# Altium PCB slave-14-mc33775.PcbDoc (part 4 of 5)
Units mil, origin at the board's own origin, x right, y up, seen from the top; angles counter-clockwise.
Board outline 6512.5 x 4562.01 mil, 6 copper layers (Top Copper, Supply, Signal Layer 1, Signal Layer 2, GND, Bot Copper), stack 69.773 mil thick; 427 components, 213 nets, 1131 pads, 1672 vias.
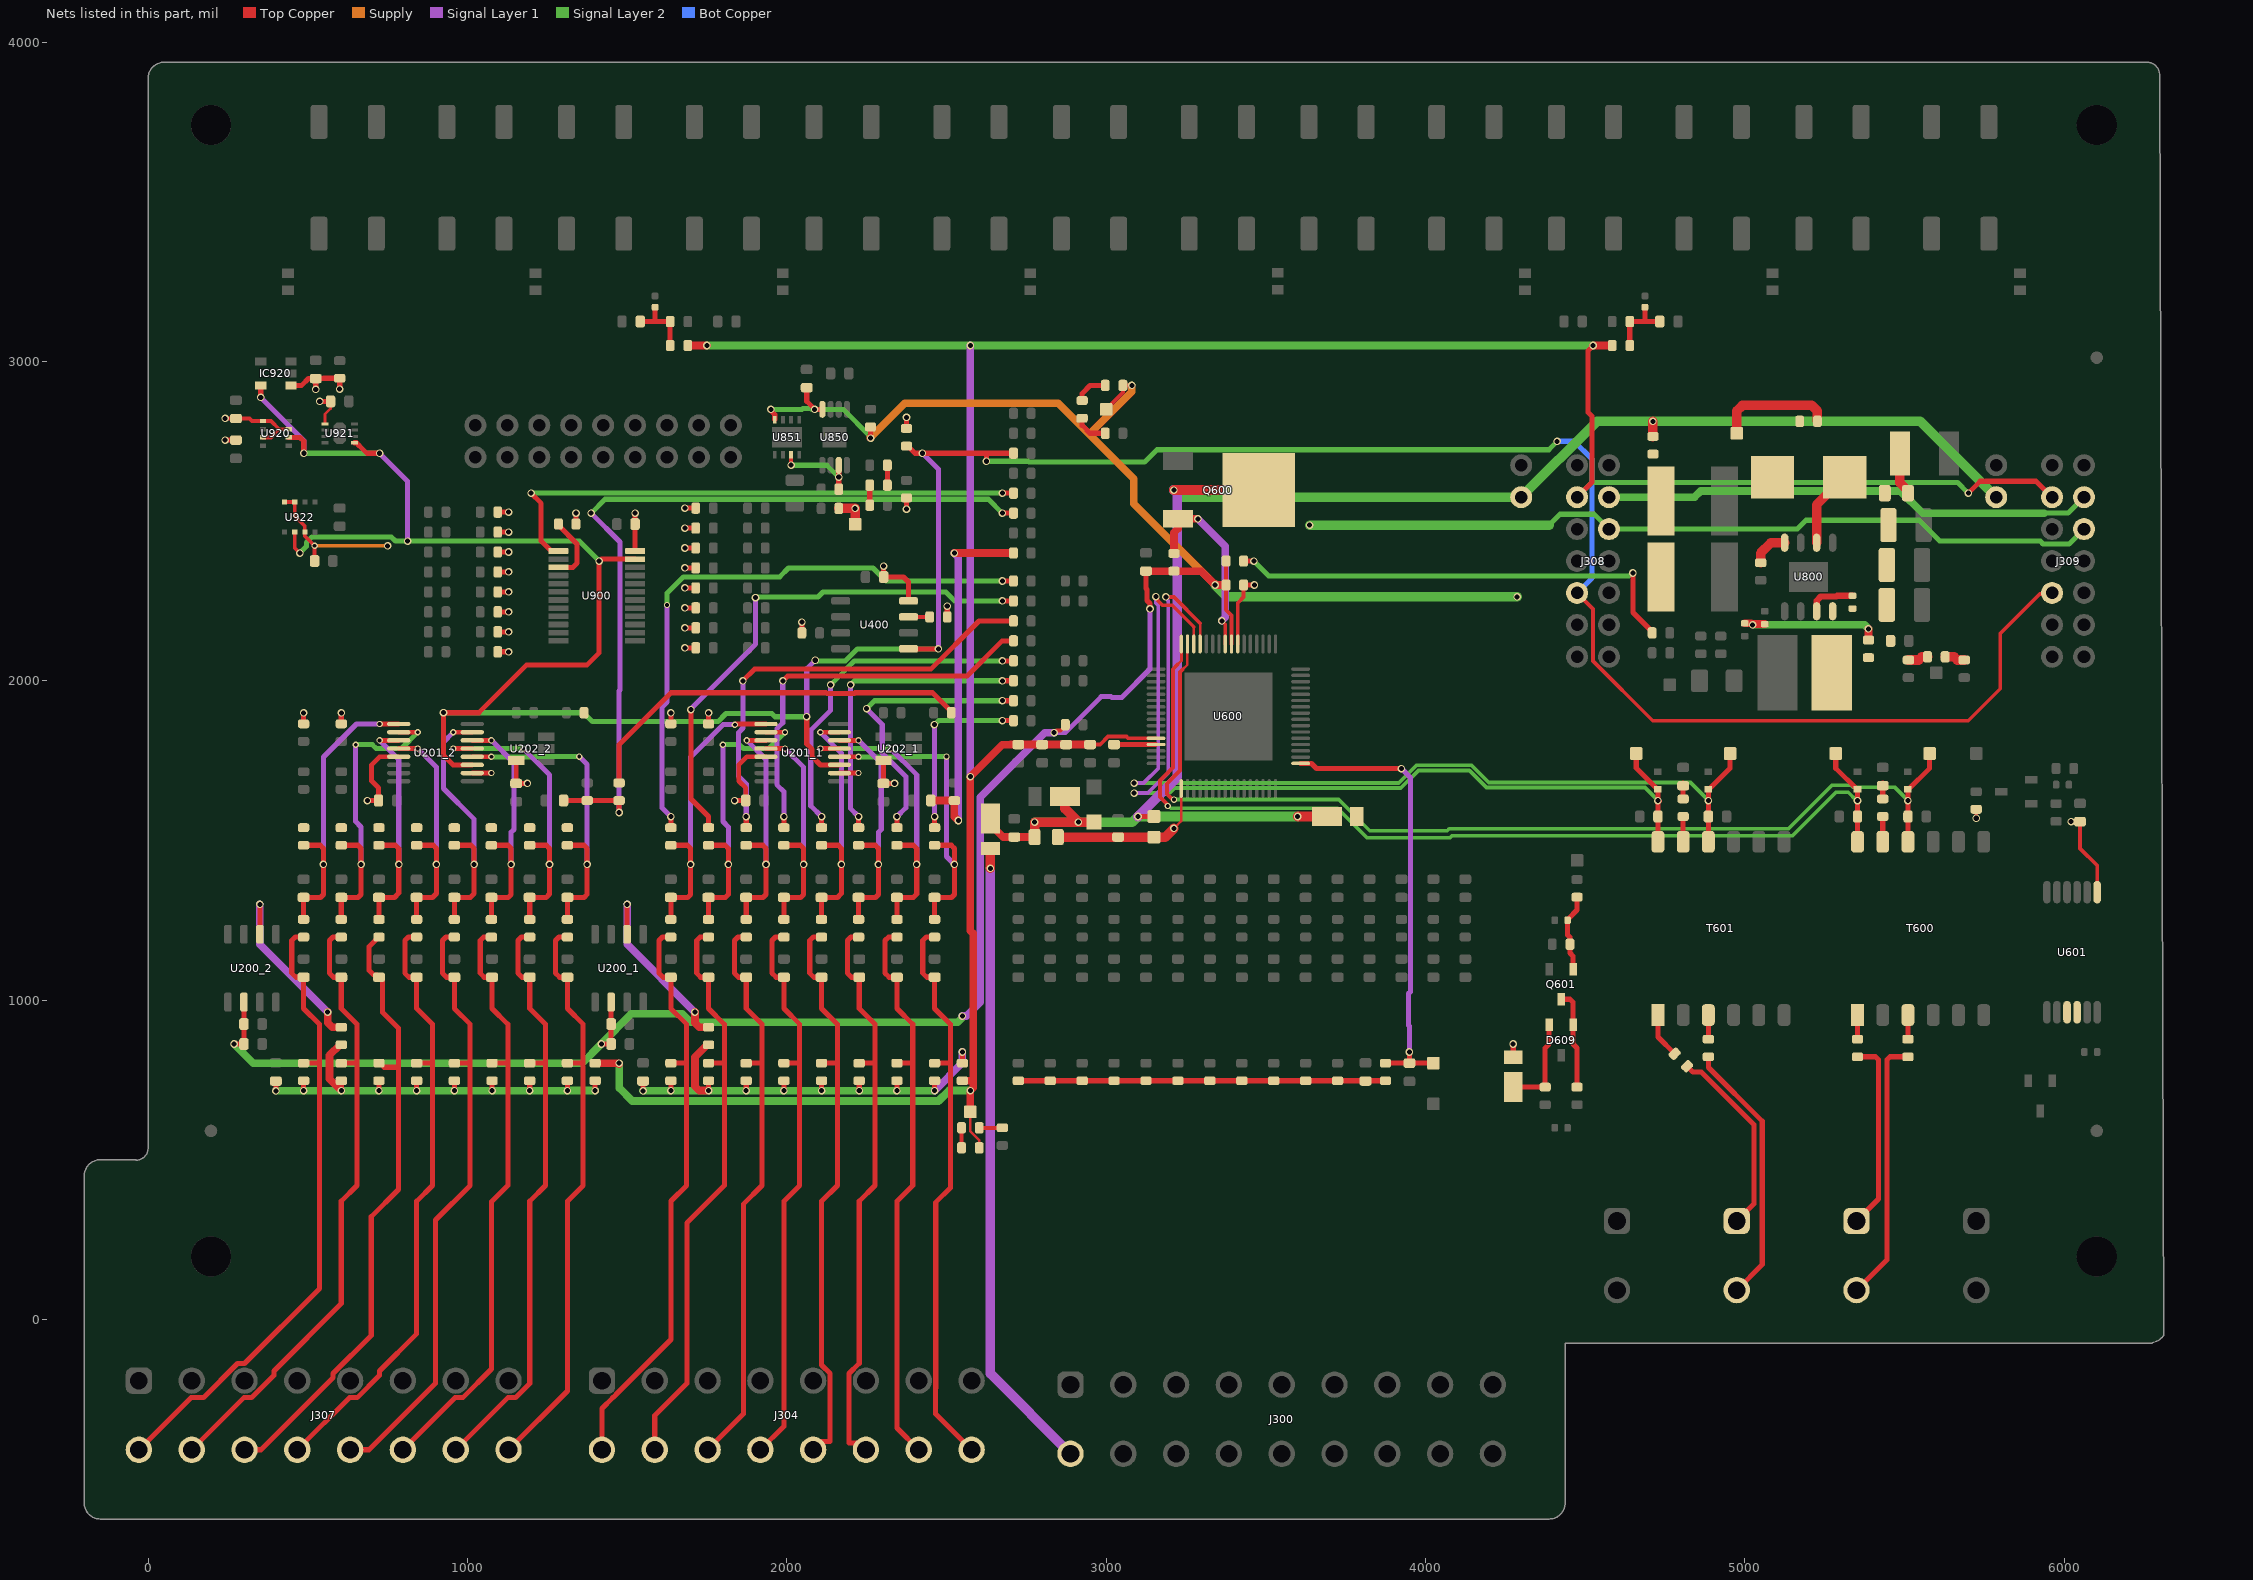
[diagram p8: the nets of this part, all layers, seen from the top]

## Via types
v1: diameter 23.62, hole 15.75, Top Copper to Bot Copper, 1585 vias
v2: diameter 19.68, hole 11.81, Top Copper to Bot Copper, 87 vias

## Nets (pads, with @x,y where several pads share a name; then routed paths per layer and width w, separated by ;. In a path a pad name is that pad's centre, name@x,y a point inside that pad or via, vN(x,y) a via of type N, cw(c..) or ccw(c..) an arc to the next point about the centre after c; other vN are vias at no path point) (continued)
I2C.SDA: IC920.5 J308.6 J309.6 R617.1 R620.1 U201_1.3 U201_2.3 U400.5 U900.23 U920.3 U921.1 U922.3 | length 10757.6
  Top Copper w12: U922.3@459.25,2465.26 459.25,2415.75 v1(475,2400) ; J308.6@4475,2275 4525,2225 4525,2062.14 4712.14,1875 5700,1875 5800,1975 5800,2148.19 5924.05,2272.24 5959.74,2272.24 J309.6@5962.5,2275
  Top Copper w15: 955.32,1736.61 U201_2.3@1015.16,1736.61 ; 2105.32,1736.61 U201_1.3@2165.16,1736.61
  Top Copper w16: v1@351.38,2888.88 352.76,2890.26 IC920.5@352.76,2925.1 ; U920.3@440.35,2762.2 475.3,2762.2 487.5,2750 v1(487.5,2712.5) ; U921.1@646.06,2745.47 651.97,2745.47 659.7,2737.74 684.94,2712.5 v1(725,2712.5) ; 955.32,1736.61 925,1766.93 v1(925,1900) 1035.67,1900 1185.67,2050 1375,2050 1412.5,2087.5 v1(1412.5,2375) 1414.56,2375 1420.47,2380.91 U900.23@1525,2380.91 ; v1(2062.5,1887.5) 2062.5,1801.83 2079.47,1784.86 2079.47,1762.46 2105.32,1736.61 ; R617.1@2375,2734.94 2378.94,2734.94 2401.38,2712.5 v1(2425,2712.5) 2625,2712.5 ; U400.5@2381.3,2100 v1(2475,2100) ; v1(2625,2687.5) 2625,2712.5 ; R620.1@2709.94,2712.5 2625,2712.5
  Signal Layer 1 w16: v1@350,2887.5 v1(352.76,2887.5) 487.5,2752.76 v1(487.5,2712.5) ; v1(725,2712.5) 812.5,2625 v1(812.5,2437.5) ; v1(2062.5,1887.5) 2062.5,2037.53 v1(2089.22,2064.25) ; v1(2425,2712.5) 2475,2662.5 2475,2367.59 2474.75,2367.34 2474.75,2100.25 v1(2475,2100)
  Signal Layer 2 w16: v1(475,2400) 495.61,2420.61 495.61,2433.38 512.72,2450.48 761.52,2450.48 774.5,2437.5 v1(812.5,2437.5) 1350,2437.5 v1(1412.5,2375) ; v1(487.5,2712.5) v1(725,2712.5) ; v1(925,1900) 1363.62,1900 1391.72,1871.89 1784.39,1871.89 1809.89,1897.39 1953.19,1897.39 1963.08,1887.5 v1(2062.5,1887.5) ; v1@2087.5,2062.5 2184.22,2062.5 2221.72,2100 v1(2475,2100) ; v1@2087.5,2062.53 v1(2089.22,2064.25) ; v1(2625,2687.5) 2755.39,2687.5 2758.2,2684.69 3120.36,2684.69 3159.26,2723.59 4386.09,2723.59 v1(4412.5,2750)
  Bot Copper w16: v1(4412.5,2750) 4465.69,2750 4521.45,2694.24 4521.45,2321.45 J308.6@4475,2275
Imon_VDDC: Q600.3 R618.2 U600.41 | length 612.7
  Top Copper w12: v1(3362.5,2187.5) 3373.13,2176.87 U600.41@3373.13,2115.26
  Top Copper w24: R618.2@3212.5,2398.62 3212.5,2463.13 3225,2475.63 Q600.3@3225,2507.18 v1(3287.5,2507.18)
  Signal Layer 1 w24: v1(3287.5,2507.18) 3373.42,2421.26 3373.42,2198.42 v1(3362.5,2187.5)
INT: R609.1 U900.1 | length 1741.4
  Top Copper w16: v1(1199.19,2587.5) 1231,2555.69 1231,2437.7 1261.35,2407.35 1283.98,2407.35 U900.1@1284.84,2406.5 ; v1(2675,2587.5) R609.1@2709.94,2587.5
  Signal Layer 2 w16: v1(1199.19,2587.5) 1200.25,2588.56 2673.94,2588.56 v1(2675,2587.5)
MUX-DATA_IN_1: R100.1 R230_1.2 | length 1257.8
  Top Copper w16: R100.1@1475,1680.12 1475,1800 1637.5,1962.5 2123.17,1962.5 2125.98,1959.69 2211.52,1959.69 2214.33,1962.5 2456.5,1962.5 2515.06,1903.94 R230_1.2@2515.06,1900
MUX-DATA_IN_2: R230_2.2
MUX_DATA: C221_1.2 R231_1.2 R606.1 | length 1157.3
  Top Copper w24: C221_1.2@2462.99,1625 R231_1.2@2525,1625 2525,1575 v1(2537.5,1562.5) ; v1(2525,2400) R606.1@2709.94,2400
  Signal Layer 1 w24: v1(2525,2400) 2537.5,2387.5 v1(2537.5,1562.5)
MUX_DATA2: C221_2.2 R100.2 R231_2.2 R608.1 | length 2544.2
  Top Copper w16: C221_2.2@1302.85,1625 1312.99,1625 R231_2.2@1375,1625 R100.2@1475,1625 v1(1475,1587.5) ; v1(2675,2525) R608.1@2709.94,2525
  Signal Layer 1 w16: v1(1387.5,2525) 1477.81,2434.69 1477.81,1970.7 1475,1967.89 v1(1475,1587.5)
  Signal Layer 2 w16: v1(1387.5,2525) 1431.06,2568.56 2631.44,2568.56 v1(2675,2525)
NetC202_1_2: C202_1.2 R200_1.1 R203_1.1 R206_1.2 R207_1.2 R208_1.2 R209_1.2 R218_1.2 R219_1.2 R220_1.2 R221_1.2 | length 1570.4
  Top Copper w16: v1@1550,716.24 C202_1.2@1550,746.46 ; v1@1637.01,717.22 R206_1.2@1637.01,747.44 ; v1@1755,717.22 R218_1.2@1755,747.44 ; v1@1872.99,717.22 R207_1.2@1872.99,747.44 ; v1@1990.98,717.22 R219_1.2@1990.98,747.44 ; v1@2109.02,717.22 R208_1.2@2109.02,747.44 ; v1@2227.01,717.22 R220_1.2@2227.01,747.44 ; v1@2345,717.22 R209_1.2@2345,747.44 ; v1@2462.99,717.22 R221_1.2@2462.99,747.44 ; R200_1.1@2550,806.79 v1@2550,837.01
  Top Copper w24: v1(1755,716.73) 1726.56,716.73 1712.5,730.79 1712.5,821.38 1751.06,859.94 R203_1.1@1755,859.94
  Signal Layer 1 w24: v1(2462.99,716.73) 2550,803.74 v1(2550,837.5)
  Signal Layer 2 w24: v1@1549.51,716.24 v1(1550,715.75) 1550.49,716.24 2462.5,716.24 v1(2462.99,716.73)
  other v1: 1637.01,716.73 1872.99,716.73 1990.98,716.73 2109.02,716.73 2227.01,716.73 2345,716.73
NetC202_2_2: C202_2.2 R200_2.1 R203_2.1 R206_2.2 R207_2.2 R208_2.2 R209_2.2 R218_2.2 R219_2.2 R220_2.2 R221_2.2 | length 1479.5
  Top Copper w16: v1@400,716.24 C202_2.2@400,746.46 ; v1@487.01,717.22 R206_2.2@487.01,747.44 ; v1@605,717.22 R218_2.2@605,747.44 ; v1@722.99,717.22 R207_2.2@722.99,747.44 ; v1@840.98,717.22 R219_2.2@840.98,747.44 ; v1@959.02,717.22 R208_2.2@959.02,747.44 ; v1@1077.01,717.22 R220_2.2@1077.01,747.44 ; v1@1195,717.22 R209_2.2@1195,747.44 ; v1@1312.99,717.22 R221_2.2@1312.99,747.44 ; v1@1400,717.22 R200_2.1@1400,747.44
  Top Copper w24: v1(605,716.73) 567.89,753.84 567.89,826.77 601.06,859.94 R203_2.1@605,859.94
  Signal Layer 2 w24: v1(400,715.75) 400.49,716.24 1312.5,716.24 v1(1312.99,716.73) ; v1@1313.48,716.24 v1(1312.99,716.73) ; v1(1400,716.73) v1(1312.99,716.73)
  other v1: 487.01,716.73 722.99,716.73 840.98,716.73 959.02,716.73 1077.01,716.73 1195,716.73
NetC607_2: C607.2 R611.1 | length 49.8
  Top Copper w16: R611.1@5432.15,1630.12 C607.2@5432.15,1679.9
NetC610_2: C610.2 R621.1 | length 49.8
  Top Copper w16: R621.1@4807.15,1630.12 C610.2@4807.15,1679.92
NetC615_2: C615.2 Q601.G R634.2 R638.1 | length 244.8
  Top Copper w16: Q601.G@4462.4,1097.24 4462.4,1137.6 4452.56,1147.44 R638.1@4452.56,1175 4452.56,1196.72 4445.08,1204.2 C615.2@4445.08,1250 4447.32,1252.24 4447.32,1254.2 4475,1281.89 R634.2@4475,1322.44
NetC700_2: C700.2 R700.1 R702.2 R704.1 | length 213.7
  Top Copper w16: C700.2@1541.04,3125 1587.5,3125 ; R704.1@1587.5,3169.78 1587.5,3125 ; R700.1@1634.94,3050 1634.94,3103.28 R702.2@1634.94,3125 1587.5,3125
NetC702_2: C702.2 R701.1 R703.2 R705.1 | length 213.9
  Top Copper w16: R701.1@4640.06,3050 4640.06,3071.72 R703.2@4640.06,3125 4687.01,3125 ; R705.1@4687.5,3169.78 4687.5,3125.49 4687.01,3125 ; C702.2@4733.96,3125 4687.01,3125
NetC804_2: C804.2 R802.1 | length 135.6
  Top Copper w30: C804.2@5485.73,2712.5 5485.73,2620.08 5511.42,2594.39 R802.1@5511.42,2587.5
NetC805_1: C805.1 U800.7 | length 151.8
  Top Copper w20: U800.7@5225,2217.72 5225,2250.5 5238.25,2263.76 5286.89,2263.76 5289.47,2266.34 C805.1@5337.5,2266.34
NetC808_1: C808.1 C809.2 R805.2 | length 468.2
  Top Copper w24: C808.1@5000,2179.92 5020.08,2179.92 v1(5025,2175) 5027.56,2177.56 C809.2@5062.5,2177.56 ; R805.2@5387.5,2127.56 v1(5387.5,2162.5)
  Signal Layer 2 w24: v1(5025,2175) 5375,2175 v1(5387.5,2162.5)
NetD608_1: D608.1 D609.2 R628.1 | length 299.9
  Top Copper w16: D608.1@4275,727.56 R628.1@4375,727.56 4375,850 4387.6,862.6 D609.2@4387.6,922.24
NetD609_1: D609.1 Q601.D R632.1 | length 312.3
  Top Copper w16: Q601.D@4425,1002.76 4453.03,1002.76 4462.4,993.38 4462.4,862.6 4475,850 R632.1@4475,727.56
NetLD600_1: LD600.1 R604.2 | length 105.2
  Top Copper w16: LD600.1@2925,2822.44 2925,2800 2950,2775 R604.2@2997.44,2775
NetLD600_2: LD600.2 R602.1 | length 105.2
  Top Copper w16: LD600.2@2925,2877.56 2925,2900 2950,2925 R602.1@2997.44,2925
NetLD601_1: LD601.1 R605.2 | length 72.4
  Top Copper w12: LD601.1@2602.56,600 R605.2@2675,600
NetLD601_2: LD601.2 R603.1 | length 62.5
  Top Copper w12: R603.1@2547.44,537.5 2547.44,578.28 LD601.2@2547.44,600
NetLD800_1: LD800.1 R804.2 | length 64.1
  Top Copper w30: LD800.1@5627.56,2075 5655.84,2075 5665.78,2065.06 R804.2@5687.5,2065.06
NetLD800_2: LD800.2 R801.1 | length 64.1
  Top Copper w30: R801.1@5512.5,2065.06 5544.72,2065.06 5554.66,2075 LD800.2@5572.44,2075
NetLD850_1: LD850.1 R854.2 | length 62.5
  Top Copper w16: LD850.1@2315.06,2612.5 2315.06,2653.28 R854.2@2315.06,2675
NetLD850_2: LD850.2 R853.1 | length 62.5
  Top Copper w16: R853.1@2259.94,2550 LD850.2@2259.94,2612.5
NetR203_1_2: R203_1.2 U200_1.6 | length 600.9
  Top Copper w16: U200_1.6@1500,1206.3 v1(1500,1300)
  Top Copper w24: v1(1712.5,962.5) 1712.5,929.12 1726.56,915.06 R203_1.2@1755,915.06
  Signal Layer 1 w24: v1(1500,1300) 1500,1175 v1(1712.5,962.5)
NetR203_2_2: R203_2.2 U200_2.6 | length 600.9
  Top Copper w16: U200_2.6@350,1206.3 v1(350,1300)
  Top Copper w24: v1(562.5,962.5) 562.5,929.12 576.56,915.06 R203_2.2@605,915.06
  Signal Layer 1 w24: v1(350,1300) 350,1175 v1(562.5,962.5)
NetR601_2: R601.2 R807.1 | length 1454.6
  Top Copper w16: R601.2@3430.68,2375 v1(3462.5,2375) ; v1(4650,2337.5) 4650,2213.88 4709.94,2153.94 R807.1@4709.94,2150
  Signal Layer 2 w16: v1(3462.5,2375) 3508.95,2328.55 4638.99,2328.55 4647.94,2337.5 v1(4650,2337.5)
NetR610_1: R610.1 T600.3 | length 75.8
  Top Copper w16: R610.1@5511.15,877.56 T600.3@5511.15,953.35
NetR611_2: R611.2 T600.11 | length 79.2
  Top Copper w16: T600.11@5432.15,1495.85 R611.2@5432.15,1575
NetR612_1: R612.1 T600.1 | length 75.8
  Top Copper w16: R612.1@5353.15,877.56 T600.1@5353.15,953.35
NetR619_1: R619.1 T601.3 | length 75.8
  Top Copper w16: R619.1@4886.15,877.56 T601.3@4886.15,953.35
NetR621_2: R621.2 T601.11 | length 79.2
  Top Copper w16: T601.11@4807.15,1495.85 R621.2@4807.15,1575
NetR622_1: R622.1 T601.1 | length 143
  Top Copper w16: T601.1@4728.15,953.35 4728.15,884.35 R622.1@4780.51,831.99
PE_NRESET: R916.2 U900.3 | length 210.6
  Top Copper w16: U900.3@1284.84,2355.31 1330.32,2355.31 1343.37,2368.37 1343.37,2428.28 1284.84,2486.81 R916.2@1284.84,2490.75
PG_LDO: R852.1 U850.3 U851.3 | length 272
  Top Copper w12: v1(2013.68,2675) U851.3@2013.68,2707.38
  Top Copper w16: R852.1@2162.8,2600 v1(2162.8,2637.45) U850.3@2162.8,2674.9
  Signal Layer 2 w16: v1(2013.68,2675) 2125.25,2675 v1(2162.8,2637.45)
Ron: R809.2 U800.4 | length 118.6
  Top Copper w30: R809.2@5050,2369.78 5050,2400 5082.28,2432.28 U800.4@5125,2432.28
RXTXH_N: C608.1 D605.1 T600.12 TPL_H_N.1 U600.48 | length 3122.3
  Top Copper w8: 3224.12,2050.88 3236.18,2062.93 3236.18,2088.34 3235.84,2088.68 3235.84,2114.75 U600.48@3235.33,2115.26
  Top Copper w12: v2(3193.36,1607.84) 3193.36,1609.92 3189.51,1613.76 3189.51,1615.52 3168.72,1636.32 3168.72,1687.33 3209.44,1728.06 3209.44,2036.19 3224.12,2050.88
  Top Copper w16: TPL_H_N.1@5285.1,1772.24 5285.1,1726.02 5351.18,1659.94 D605.1@5353.15,1659.94 v1(5353.15,1625) C608.1@5353.15,1575 T600.12@5353.15,1495.85
  Signal Layer 2 w12: v2(3193.36,1607.84) 3195.44,1607.84 3202.47,1600.81 3724.19,1600.81 3816.59,1508.41 4077.39,1508.41 4083.52,1514.55 5149.11,1514.55 5285.37,1650.81 5324.19,1650.81 5350,1625 v1(5353.15,1625)
RXTXH_P: C602.2 D604.1 T600.10 TPL_H_P.1 U600.47 | length 3248.9
  Top Copper w8: 3239.68,2035.32 3254.18,2049.82 3254.18,2088.34 3254.52,2088.68 3254.52,2114.75 U600.47@3255.02,2115.26
  Top Copper w12: v2(3212.5,1627.84) 3210.42,1627.84 3206.58,1631.68 3204.46,1631.68 3190.72,1645.43 3190.72,1678.22 3231.44,1718.94 3231.44,2027.08 3239.68,2035.32
  Top Copper w16: T600.10@5511.15,1495.85 C602.2@5511.15,1575 v1(5511.15,1625) D604.1@5511.15,1659.94 5513.12,1659.94 5579.2,1726.02 TPL_H_P.1@5579.2,1772.24
  Signal Layer 2 w12: v2(3212.5,1627.84) 3728.47,1627.84 3825.76,1530.55 4068.41,1530.55 4074.41,1536.55 5136.55,1536.55 5272.81,1672.81 5333.31,1672.81 5339.31,1666.81 5469.34,1666.81 v1(5511.15,1625)
RXTXL_N: C612.1 D607.1 T601.12 TPL_L_N.1 U600.45 | length 2911.1
  Top Copper w8: U600.45@3294.63,2115.26 3294.63,2180.37
  Top Copper w12: v1(3187.5,2262.5) 3212.5,2262.5 3294.63,2180.37
  Top Copper w16: TPL_L_N.1@4660.1,1772.24 4660.1,1727.11 D607.1@4728.15,1659.06 ; T601.12@4728.15,1495.85 C612.1@4728.15,1575 4728.15,1618.26 v1@4732.82,1622.94 ; v1@4728.15,1622.94 v1(4728.15,1625) D607.1@4728.15,1659.06 ; D607.1@4728.15,1659.94 D607.1@4728.15,1659.06
  Signal Layer 1 w12: v1(3087.5,1648.19) 3130.41,1648.19 3194.92,1712.71 3194.92,2248.79 3193.31,2250.4 3193.31,2253.54 3187.5,2259.35 v1(3187.5,2262.5)
  Signal Layer 2 w12: v1(3087.5,1648.19) 3199.13,1648.19 3214.75,1663.81 3922.94,1663.81 3978.58,1719.45 4137.54,1719.45 4191.66,1665.34 4687.81,1665.34 v1(4728.15,1625) ; v1@4728.15,1625.81 v1@4728.96,1625
RXTXL_P: C609.2 D606.1 T601.10 TPL_L_P.1 U600.46 | length 3018.8
  Top Copper w8: 3274.63,2168.89 3275,2168.52 U600.46@3275,2121.46
  Top Copper w12: v1(3155.89,2263.23) 3155.89,2260.08 3161.69,2254.28 3161.69,2251.81 3176.81,2236.69 3207.2,2236.69 3274.63,2169.26 3274.63,2168.89
  Top Copper w16: T601.10@4886.15,1495.85 C609.2@4886.15,1575 v1(4886.15,1625) D606.1@4886.15,1659.94 4888.12,1659.94 4954.2,1726.02 TPL_L_P.1@4954.2,1772.24
  Signal Layer 1 w12: v1(3087.5,1679.81) 3117.31,1679.81 3163.31,1725.81 3163.31,2235.69 3155.89,2243.12 v1(3155.89,2263.23)
  Signal Layer 2 w12: v1(3087.5,1679.81) 3916.31,1679.81 3971.95,1735.45 4144.17,1735.45 4198.28,1681.34 4829.81,1681.34 v1(4886.15,1625) v1@4887.5,1625
S1_1: C212_1.2 R210_1.1 R222_1.1 U201_1.4 | length 1025.6
  Top Copper w15: U201_1.4@2165.16,1762.2 v2(2225,1762.2)
  Top Copper w16: R222_1.1@2462.99,1252.56 C212_1.2@2462.99,1318.75 ; C212_1.2@2462.99,1321.46 2515.63,1321.46 2525,1330.83 v1(2525,1425) 2525,1475 2515.06,1484.94 R210_1.1@2462.99,1484.94
  Signal Layer 1 w16: v2(2500,1762.5) 2500,1450 v1(2525,1425)
  Signal Layer 2 w16: v2(2225,1762.2) 2225.55,1761.66 2362.08,1761.66 2362.92,1762.5 v2(2500,1762.5)
S1_2: C212_2.2 R210_2.1 R222_2.1 U201_2.4 | length 1025.4
  Top Copper w15: U201_2.4@1015.16,1762.2 v2(1075,1762.2)
  Top Copper w16: R222_2.1@1312.99,1252.56 C212_2.2@1312.99,1318.75 ; C212_2.2@1312.99,1321.46 1365.21,1321.46 1375,1331.25 1375,1475 1365.06,1484.94 R210_2.1@1312.99,1484.94
  Signal Layer 1 w16: v2(1350,1762.5) 1375,1737.5 v1(1375,1425)
  Signal Layer 2 w16: v2(1075,1762.2) 1075.55,1761.66 1212.08,1761.66 1212.92,1762.5 v2(1350,1762.5)
S2_1: C213_1.2 R211_1.1 R223_1.1 U201_1.5 | length 1008.7
  Top Copper w15: v2(2105.32,1787.8) U201_1.5@2165.16,1787.8
  Top Copper w16: R223_1.1@2345,1252.56 C213_1.2@2345,1309.65 ; C213_1.2@2345,1321.46 2396.46,1321.46 2407.01,1332.01 2407.01,1475 2397.07,1484.94 R211_1.1@2345,1484.94
  Signal Layer 1 w16: v2(2325,1787.5) 2407.01,1705.49 v1(2407.01,1425)
  Signal Layer 2 w15: v2(2105.32,1787.8) 2235.25,1787.8 2235.54,1787.5 v2(2325,1787.5)
S2_2: C213_2.2 R211_2.1 R223_2.1 U201_2.5 | length 1017.8
  Top Copper w15: v2(955.32,1787.8) U201_2.5@1015.16,1787.8
  Top Copper w16: R223_2.1@1195,1252.56 C213_2.2@1195,1318.75 ; C213_2.2@1195,1321.46 1246.46,1321.46 1257.01,1332.01 1257.01,1475 1247.07,1484.94 R211_2.1@1195,1484.94
  Signal Layer 1 w16: v2(1175,1787.5) 1257.01,1705.49 v1(1257.01,1425)
  Signal Layer 2 w15: v2(955.32,1787.8) 1085.25,1787.8 1085.54,1787.5 v2(1175,1787.5)
S3_1: C214_1.2 R212_1.1 R224_1.1 U201_1.6 | length 823.7
  Top Copper w15: U201_1.6@2165.16,1813.39 v2(2225,1813.39)
  Top Copper w16: R224_1.1@2225,1252.56 C214_1.2@2225,1318.75 ; C214_1.2@2225,1321.46 2277.64,1321.46 2287.01,1330.83 v1(2287.01,1425) 2287.01,1475 2277.07,1484.94 R212_1.1@2225,1484.94
  Signal Layer 1 w16: v2(2225,1813.39) 2295.92,1742.46 2295.92,1534.48 2287.01,1525.56 v1(2287.01,1425)
S3_2: C214_2.2 R212_2.1 R224_2.1 U201_2.6 | length 823.7
  Top Copper w15: U201_2.6@1015.16,1813.39 v2(1075,1813.39)
  Top Copper w16: R224_2.1@1075,1252.56 C214_2.2@1075,1318.75 ; C214_2.2@1075,1321.46 1127.64,1321.46 1137.01,1330.83 1137.01,1475 1127.07,1484.94 R212_2.1@1075,1484.94
  Signal Layer 1 w16: v2(1075,1813.39) 1145.92,1742.46 1145.92,1534.48 1137.01,1525.56 v1(1137.01,1425)
S4_1: C215_1.2 R213_1.1 R225_1.1 U201_1.7 | length 848.1
  Top Copper w15: v2(2105.32,1838.98) U201_1.7@2165.16,1838.98
  Top Copper w16: R225_1.1@2109.02,1252.56 C215_1.2@2109.02,1325 ; C215_1.2@2109.02,1321.46 2158.96,1321.46 2171.02,1333.52 2171.02,1475 2161.08,1484.94 R213_1.1@2109.02,1484.94
  Signal Layer 1 w16: v2(2105.32,1838.98) 2171.02,1773.27 v1(2171.02,1425)
S4_2: C215_2.2 R213_2.1 R225_2.1 U201_2.7 | length 866.9
  Top Copper w15: v2(955.32,1838.98) U201_2.7@1015.16,1838.98
  Top Copper w16: R225_2.1@959.02,1252.56 C215_2.2@959.02,1318.75 ; C215_2.2@959.02,1321.46 1008.96,1321.46 1021.02,1333.52 1021.02,1475 1011.08,1484.94 R213_2.1@959.02,1484.94
  Signal Layer 1 w16: v2(955.32,1838.98) 925,1808.66 925,1662.5 1021.02,1566.48 v1(1021.02,1425)
S5_1: C216_1.2 R214_1.1 R226_1.1 U201_1.12 | length 789.2
  Top Copper w15: U201_1.12@1934.84,1787.8 v2(1994.69,1787.8)
  Top Copper w16: R226_1.1@1990.98,1252.56 C216_1.2@1990.98,1318.75 ; C216_1.2@1990.98,1321.46 2043.62,1321.46 2052.99,1330.83 2052.99,1475 2043.05,1484.94 R214_1.1@1990.98,1484.94
  Signal Layer 1 w16: v2(1994.69,1787.8) 2052.99,1729.49 v1(2052.99,1425)
S5_2: C216_2.2 R214_2.1 R226_2.1 U201_2.12 | length 787.2
  Top Copper w15: U201_2.12@784.84,1787.8 v2(844.69,1787.8)
  Top Copper w16: R226_2.1@840.98,1252.56 C216_2.2@840.98,1318.75 ; C216_2.2@840.98,1321.46 890.21,1321.46 902.99,1334.24 902.99,1475 893.05,1484.94 R214_2.1@840.98,1484.94
  Signal Layer 1 w16: v2(844.69,1787.8) 902.99,1729.49 v1(902.99,1425)
S6_1: C217_1.2 R215_1.1 R227_1.1 U201_1.11 | length 815.5
  Top Copper w15: v2(1875,1813.39) U201_1.11@1934.84,1813.39
  Top Copper w16: R227_1.1@1872.99,1252.56 C217_1.2@1872.99,1318.75 ; C217_1.2@1872.99,1321.46 1925.63,1321.46 1935,1330.83 1935,1475 1925.06,1484.94 R215_1.1@1872.99,1484.94